# KiCad board jetson-nano-baseboard.kicad_pcb (continued)
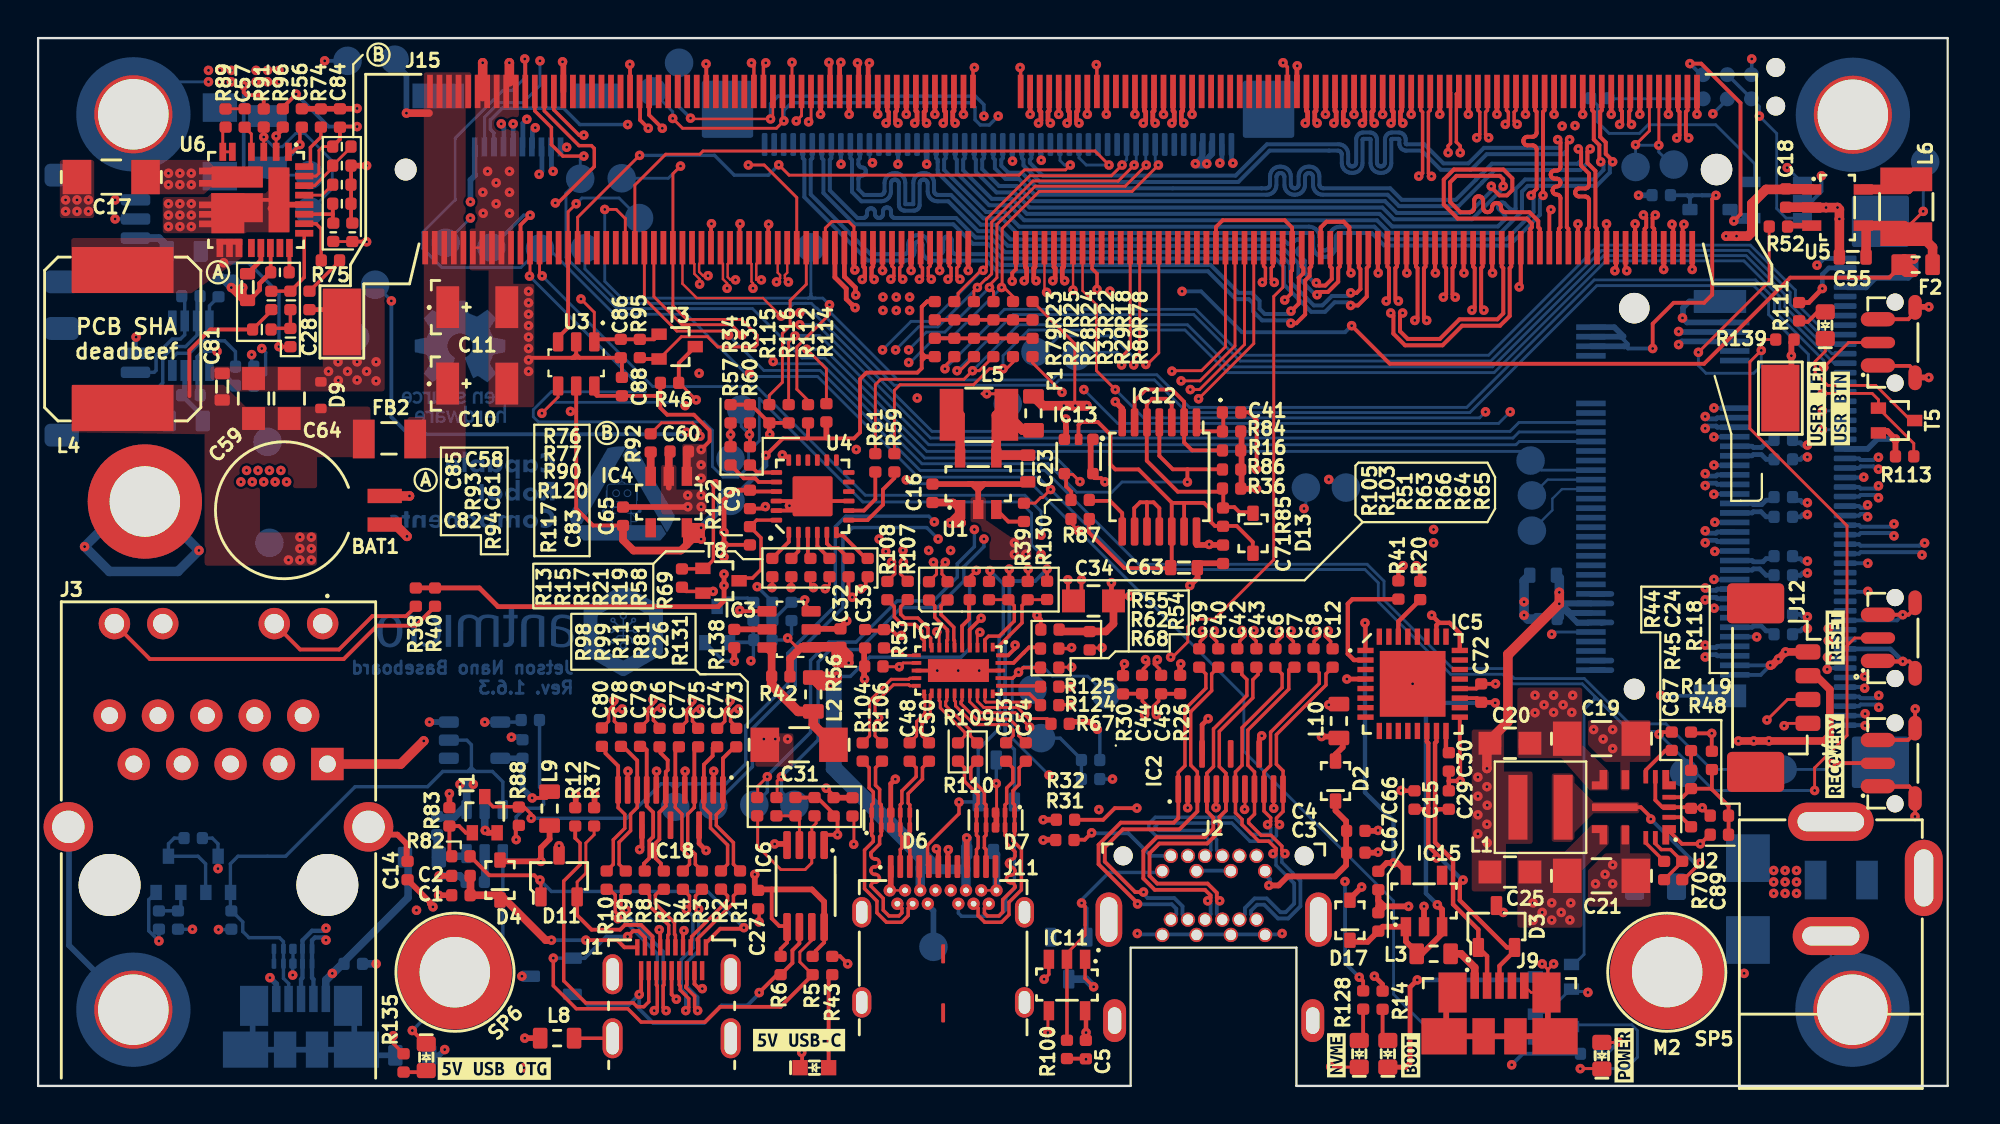
[diagram p0: board, top side]
## Copper pours and planes (outline as drawn; the poured copper is in the pictures) (continued)
VIN on In1_5V0_SYS_VIN.Cu: 100.22,0.51 89.35,0.51 89.35,15.21 91.54,17.4 91.57,17.44 91.58,17.47 91.59,17.51 91.59,19.23 91.58,19.27 91.57,19.3 91.54,19.33 90.98,19.9 90.98,41.17 93.95,41.17 93.99,41.18 94.03,41.19 94.06,41.22 94.29,41.45 94.31,41.48 94.33,41.52 94.33,41.55 94.33,43.36 94.33,43.4 94.31,43.43 94.29,43.47 94.06,43.69 94.03,43.72 93.99,43.73 93.95,43.74 90.98,43.74 90.98,44.48 90.97,44.52 90.96,44.55 90.93,44.58 89.21,46.3 89.18,46.33 89.15,46.34 89.11,50.61 63.61,50.5 63.07,50.52 60.98,50.52 60.42,50.55 14.54,50.81 14.54,31.51 8.94,31.51 8.94,46.15 8.93,46.19 8.92,46.23 8.89,46.26 8.86,46.28 8.82,46.3 8.79,46.3 0.51,46.3 0.51,54.49 100.22,54.49
(no net) on In4_GND.Cu: 58.59,7 64.79,7 64.79,8.5 58.59,8.5
(no net) on In4_GND.Cu: 60.39,10.9 63.79,10.9 63.79,11.7 60.39,11.7
EGND on In4_GND.Cu: 19.22,1.24 18.49,0.51 0.51,0.51 0.51,24.97 19.22,24.97
EGND on In6_GND.Cu: 19.22,12.11 5.74,12.11 5.74,0.51 0.51,0.51 0.51,24.97 19.22,24.97
HDMI_SHIELD on In4_GND.Cu: 27.8,8.6 27.9,8.5 38.8,8.5 38.77,7.75 38.77,0.51 26.12,0.51 26.12,10.77 27.8,10.77
HDMI_SHIELD on In6_GND.Cu: 27.77,8 27.78,7.95 27.8,7.91 27.84,7.88 27.89,7.87 38.64,7.87 38.77,7.75 38.77,0.51 26.12,0.51 26.12,10.77 27.77,10.77
Net-(F3-Pad1) on Bottom: 96.94,9.76 94.29,9.76 94.29,12.36 91.69,12.36 91.69,15.01 96.94,15.01

## Text on the board
Bottom: Jetson Nano Baseboard / Rev. ${REVISION}
B.Mask: Jetson Nano Baseboard / Rev. 1.6.1
B.Silkscreen: 1
User.Drawings: Recommended PCB finish: | Gold plating (ENIG, selective) | Solder mask: matt black | Silkscreen: white | The design includes high speed signaling | Suggested prepreg material is ISOLA PR2116 | Layer | 1 | 2 | 3 | 4 | 5 | 6 | 7 | 8 | 9 | 10 | 11 | 12 | 13 | 14 | 15 | 16 | 17 | Name | Top Solder | Top Layer | Dielectric 1 | Signal 1 | Dielectric 2 | Signal 2 | Dielectric 3 | Signal 3 | Dielectric 4 | Signal 4 | Dielectric 5 | Signal 5 | Dielectric 6 | Signal 6 | Dielectric 7 | Bottom Layer | Bottom Solder | Material | Solder Resist | Copper | Prepreg | FR-4 | Thickness | 0.02  mm | 0.018 mm | 0.12  mm | 0.035 mm | 0.2   mm | 0.24  mm | Constant | 3.5 | 4.2 | Recommended PCB stackup
F.Silkscreen: A | B | PCB SHA / deadbeef
